# KiCad board plinkyblack.kicad_pcb (continued)
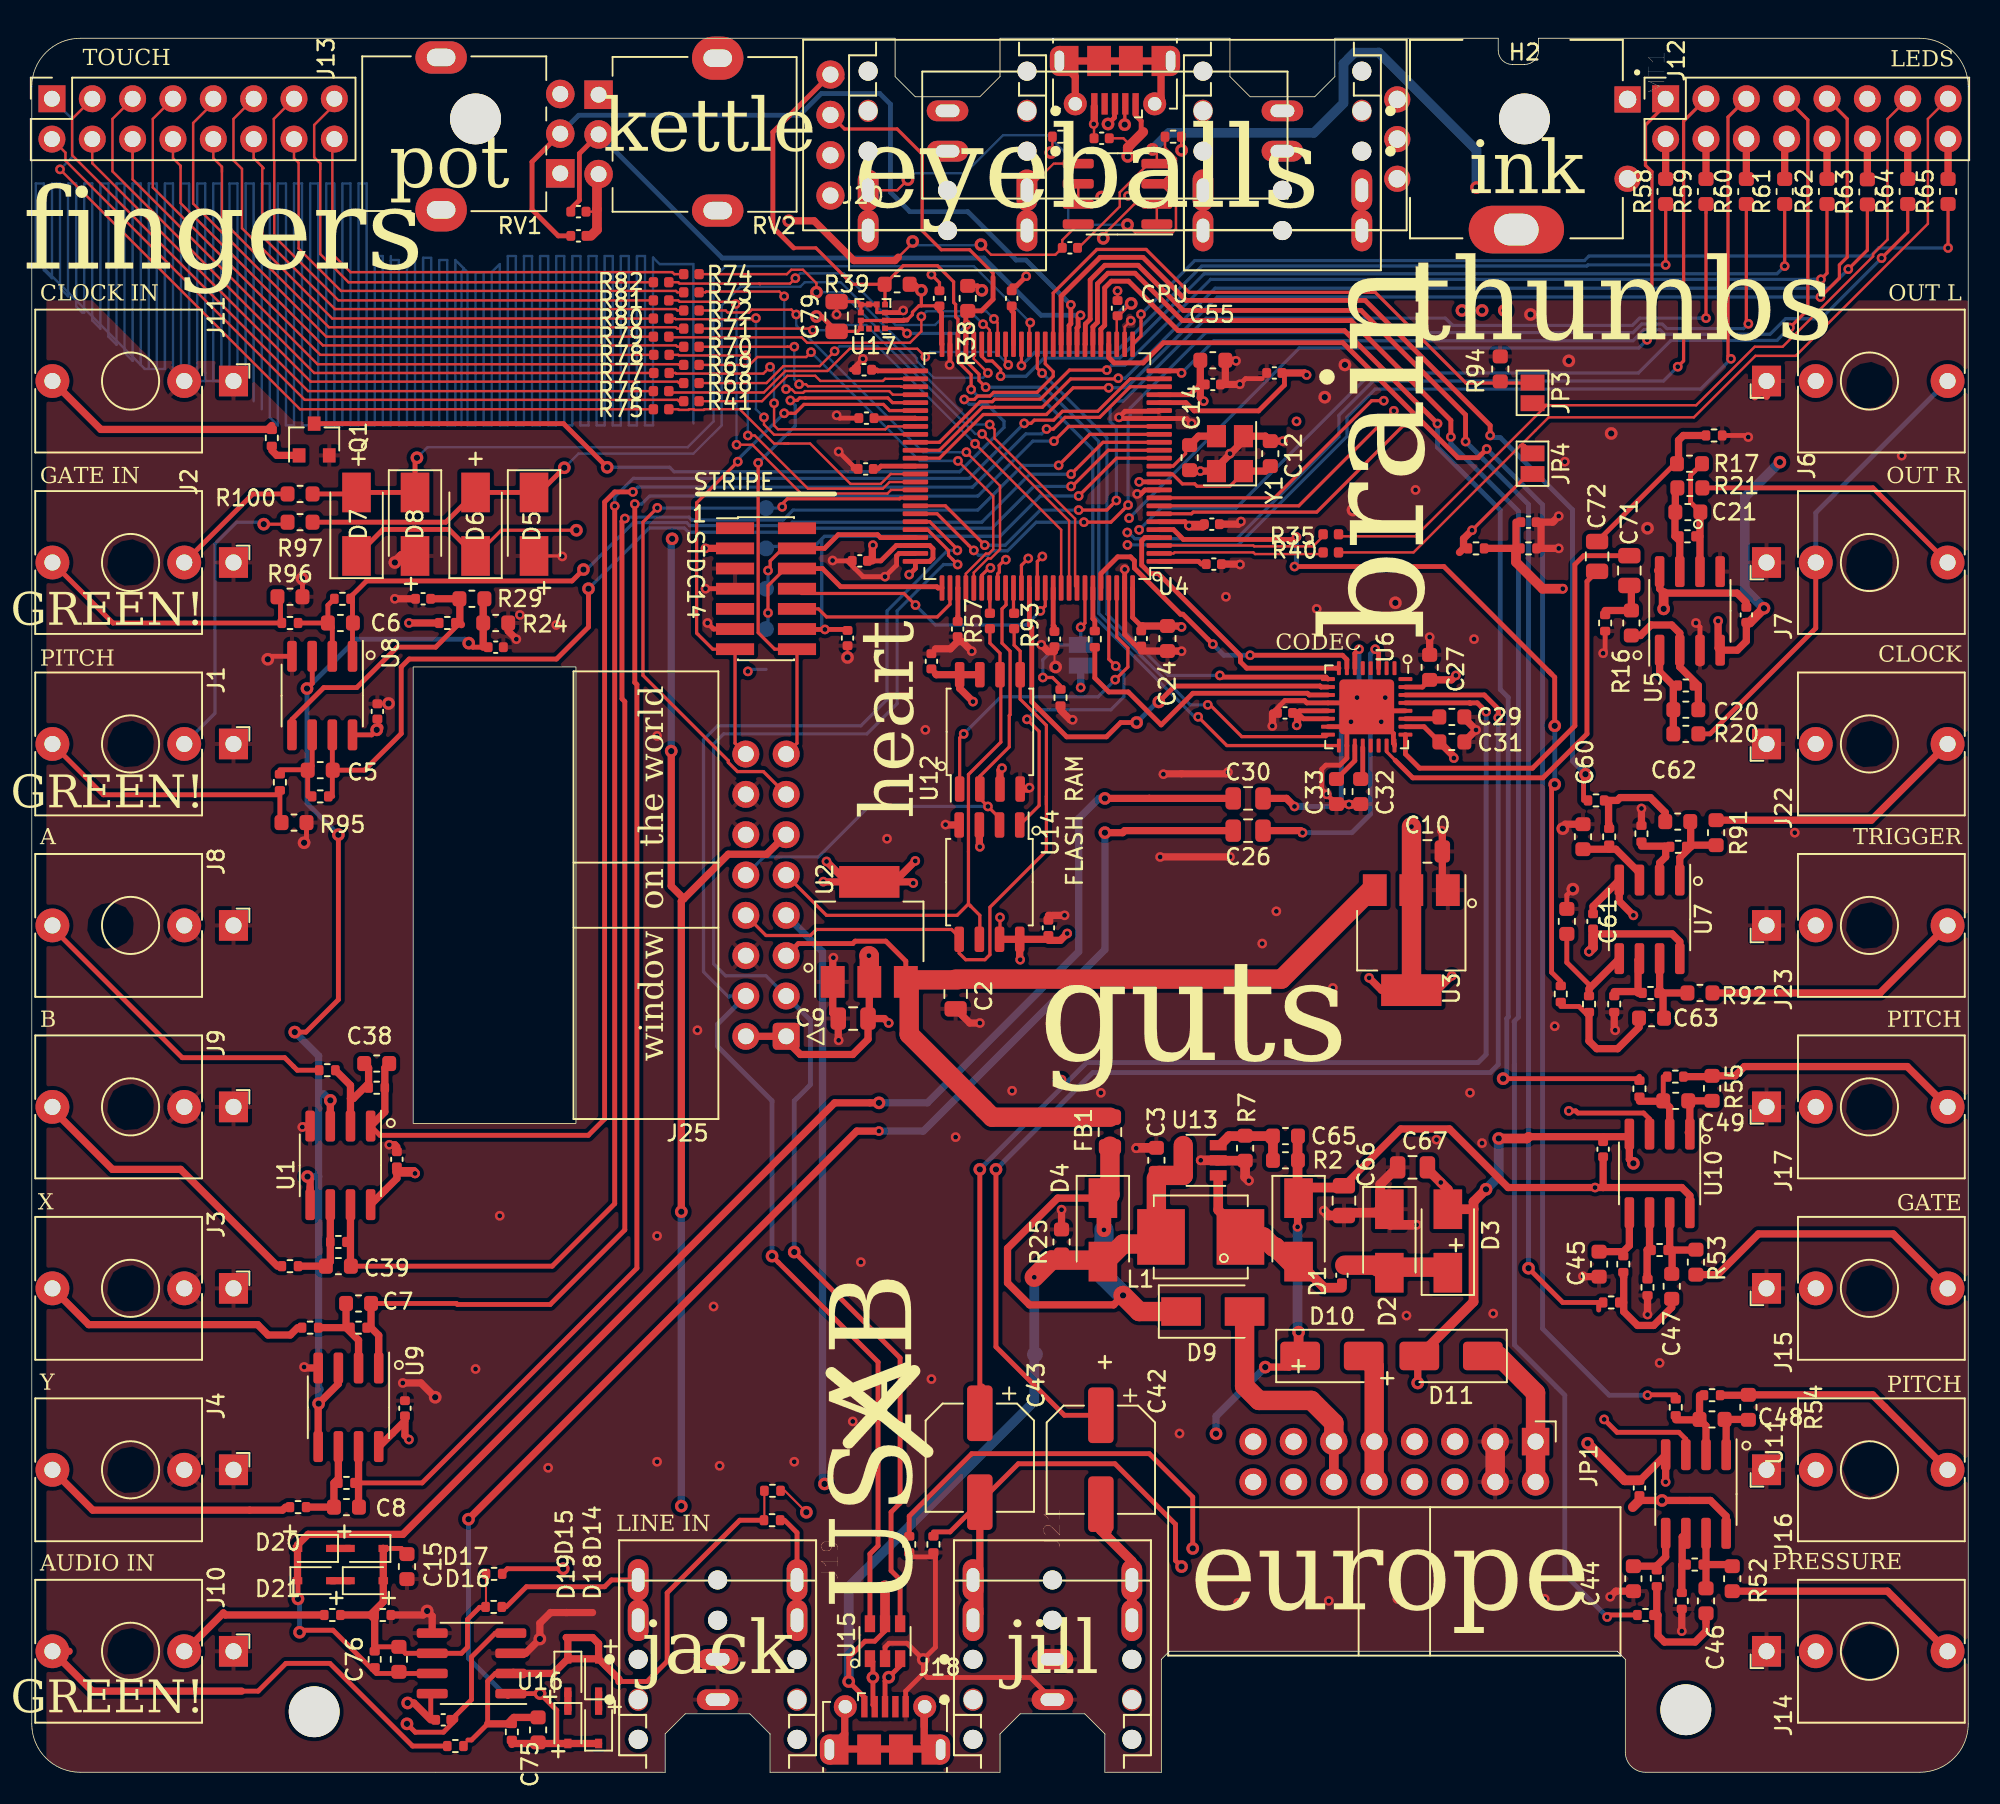
[diagram p0: board, top side]
## Routing (per net, layer and track width the routed paths; a pad name or vN(x,y) marks a point on that pad's centre or on a via; arc(x,y) is an arc through that point) (continued)
AIN4: length 110.2
  Top w0.203: U4.18 65.28,84.77 v1(64.36,83.84)
  Top w0.305: v1(37.97,79.88) 37.97,68.65 38.1,68.51 38.1,31.75 24.57,18.22 20.6,18.22
  Top w0.457: U9.7 20.57,16.73 C8.1
  Bottom w0.203: v1(64.36,83.84) 63.03,83.84 59.57,80.38 38.9,80.38 38.4,79.88 v1(37.97,79.88)
AIN5: length 96.6
  Top w0.203: v1(63.89,84.61) 64.32,84.61 65.06,85.34 67.24,85.34 69.16,87.27 U4.23
  Top w0.305: v1(37.85,80.65) 36.7,80.65 36.07,80.01 36.07,41.15 35.04,40.12 21.92,40.12 U1.1
  Top w0.457: U1.1 22.23,41.59 22.23,44.36 C38.1
  Bottom w0.203: v1(63.89,84.61) 63.59,84.3 62.59,84.3 59.23,80.95 38.15,80.95 v1(37.85,80.65)
AIN6: length 106
  Top w0.203: C39.1 21.59,31.88 ; U4.24 69.16,87.77 67.11,85.72 64.89,85.72 64.33,85.17 63.12,85.17 62.92,84.96 v1(62.48,84.96)
  Top w0.305: v1(36.7,79.76) 36.7,35.81 32.77,31.88 20.19,31.88
  Top w0.457: C39.1 20.07,31.9 U1.7 20.07,35.2
  Bottom w0.203: v1(36.7,79.76) 36.7,80.33 37.87,81.5 59.02,81.5 v1(62.48,84.96)
AOUT1: length 95.5
  Top w0.305: 103.51,23.77 101.75,23.77 v1(101.73,23.75) ; v1(91.6,83.35) 91.06,82.8 89.79,82.8 82.55,90.04 71.25,90.04 69.98,88.77 68.14,88.77 67.81,89.11 U4.29
  Bottom w0.305: v1(101.73,23.75) 99.31,23.75 95.12,27.94 95.12,79.83 v1(91.6,83.35)
AOUT2: length 80.4
  Top w0.305: v1(88.51,84.95) 82.65,90.81 72.18,90.81 69.06,93.92 67.97,93.92 67.55,93.5 67.55,91.14 67.31,90.9 U4.30 ; 101.22,43.84 101.07,43.69 v2(92.64,43.69)
  Bottom w0.305: v2(92.64,43.69) 92.86,43.91 92.86,47.47 92.96,47.57 92.96,67.69 92.46,68.2 92.46,79.5 88.51,83.45 v1(88.51,84.95)
AOUT3: length 112.5
  Top w0.305: 100.81,9.91 99.31,9.91 v1(99.19,9.78) ; U4.31 66.81,91.05 67.1,91.33 67.1,93.76 67.76,94.42 69.46,94.42 72.44,91.44 83.06,91.44 89.35,85.15 v1(89.35,84.11)
  Bottom w0.305: 93.34,44.58 93.34,43.69 ; 93.34,44.58 93.34,47.26 ; 93.34,44.58 93.34,26.92 96.52,23.75 96.52,12.45 v1(99.19,9.78) ; 93.32,47.28 93.6,47.56 93.6,79.43 89.35,83.68 v1(89.35,84.11)
AOUT4: length 93.7
  Top w0.305: v2(94.23,31.75) 96.39,29.59 98.65,29.59 98.65,29.12 ; v1(90.27,83.82) 90.27,85.5 83.69,92.08 72.51,92.08 69.66,94.92 67.56,94.92 66.64,94 66.64,91.52 66.33,91.22 66.33,89.97 U4.32
  Bottom w0.305: v2(94.23,31.75) 94.23,50.93 ; 94.23,50.93 94.23,50.55 ; 94.23,50.93 94.23,79.86 v1(90.27,83.82)
AOUT5: length 61.9
  Top w0.305: U4.35 64.81,92.97 67.26,95.42 69.96,95.42 72.67,92.71 83.95,92.71 91.82,84.84 v1(91.82,84.2) ; v2(97.82,62.87) 97.7,62.74 97.7,61.21
  Bottom w0.305: v2(97.82,62.87) 97,63.68 97,79.53 92.46,84.07 91.95,84.07 v1(91.82,84.2)
AOUT6: length 49.9
  Top w0.305: 96.27,49.81 95.69,50.39 95.69,62.03 v2(95.89,62.23) ; v2(95.89,65.91) 95.89,68.97 95.51,69.35 ; 95.51,69.35 88.91,75.95 v1(79.5,75.95) ; 95.51,69.35 95.69,69.17 ; v1(79.63,77.8) 79.48,77.65 72.5,77.65 71.88,78.27 U4.5
  Bottom w0.305: v1(79.5,75.95) 79.63,76.07 v1(79.63,77.8) ; v2(95.89,62.23) v2(95.89,65.91)
CLKIN: length 57.7
  Top w0.203: v1(58.71,86.47) 59.34,86.47 59.56,86.68 60.32,86.68 60.56,86.92 63.3,86.92 64.31,87.93 64.31,88.22 63.81,88.72 U4.37
  Top w0.305: Q1.3 33.48,84.95 v2(36.23,82.2)
  Bottom w0.203: v1(58.71,86.47) 59.01,86.17 60.14,86.17 61.21,85.09 61.21,84.71 58.42,81.91 40.45,81.91 40.16,82.2 v2(36.23,82.2)
DACDAT: length 28.2
  Top w0.305: U4.87 62.81,72.27 62.96,72.12 62.96,67.42 65.16,65.22 67.66,65.22 68.56,66.12 v2(69.56,66.12) ; U6.10 81.17,68.36 81.11,68.42 71.96,68.42 v2(70.96,67.42)
  Bottom w0.305: v2(70.96,67.42) 70.86,67.42 v2(69.56,66.12)
DEBUG: length 39.9
  Top w0.203: U4.67 55.63,80.27 55.63,80.26 54.69,80.26 54.64,80.21 47.57,80.21 47.24,79.88 47.37,79.76 ; J25.13 46.06,63.03 44.43,63.03 43.85,63.61 43.85,63.72 38.48,69.09 38.48,78.74 v1(39.38,79.64)
  Bottom w0.203: 47.37,79.76 47.24,79.63 TPDEBUG1.1 39.4,79.63 v1(39.38,79.64)
  vias: v1(47.24,79.71)
DM: length 90.3
  Top w0.203: U4.70 56.53,78.77 58.28,77.03 v1(58.28,76.96)
  Top w0.305: U15.6 52.77,13.75 53.28,14.27 53.28,25.84 v2(46.61,32.51)
  Bottom w0.203: J25.4 43.94,48.9 43.88,48.83 42.29,50.42 42.29,65.02 43.18,65.91 52.2,65.91 53.85,67.56 53.85,73.15 57.66,76.96 v1(58.28,76.96)
  Bottom w0.305: J25.4 43.18,47.12 43.18,45.72 46.61,42.29 v2(46.61,32.51)
DM_C: length 200.9
  Top w0.203: 68.82,105.41 68.82,103.79 v2(68.81,103.78) ; 68.84,104.92 68.78,104.86
  Top w0.305: U15.1 52.96,6.97 v2(52.96,5.97) 52.96,4.24 J18.2
  In2.Cu w0.203: v2(68.81,103.78) 69.08,103.51 80.52,103.51 82.93,105.92 84.45,105.92 85.22,106.68 87.69,106.68 94.16,100.21 96.33,100.21 97.95,98.59 97.95,96.53 105.19,89.29 105.2,89.29 118.47,76.02 118.47,16.1 114.3,11.94 74.55,11.94 70.61,8 70.61,6.48 69.77,5.63 54.57,5.63 54.27,5.33 53.59,5.33 v2(52.96,5.97)
DP: length 90.3
  Top w0.203: v1(58.29,76.07) 57.72,76.65 57.72,76.95 56.4,78.27 U4.71
  Top w0.305: U15.4 54.67,12.13 54.1,12.7 54.1,16.38 54.67,16.95 54.67,26.1 v2(48.01,32.77)
  Bottom w0.203: J25.3 46.23,50.17 43.69,50.17 42.93,50.93 42.93,64.77 43.56,65.41 52.58,65.41 54.48,67.31 54.48,73.15 57.4,76.07 v1(58.29,76.07)
  Bottom w0.305: v2(48.01,32.77) 48.01,42.29 49.02,43.31 49.02,47.37 J25.3
DP_C: length 198.1
  Top w0.305: v2(67.76,103.82) 67.76,103.82 68.17,104.23 68.17,105.41 ; U15.3 54.67,6.7 v2(53.96,5.99) 53.72,5.75 J18.3
  In2.Cu w0.203: 75.06,12.45 114.05,12.45 118.11,16.51 118.11,75.89 105.06,88.95 105.05,88.95 97.61,96.39 97.61,98.45 96.19,99.87 94.01,99.87 89.74,104.14 85.09,104.14 84.07,103.12 68.46,103.12 v2(67.76,103.82) ; 75.06,12.45 74.93,12.45 ; 75.06,12.45 74.42,12.45 70.23,8.26 70.23,6.64 69.58,5.99 v2(53.96,5.99)
FSCLK: length 20.3
  Top w0.305: U4.96 67.31,75.5 68.37,76.56 69.18,76.56 69.42,76.31 69.42,75.85 72.33,72.94 72.47,72.94 v1(74.36,71.06) ; U6.7 82.8,70.08 82.52,70.36 v1(76.71,70.36)
  Bottom w0.305: v1(74.36,71.06) 75.06,70.36 v1(76.71,70.36)
HPL: length 83.2
  Top w0.305: v1(92.33,66.42) 92.33,66.98 91.45,67.86 U6.30 ; C42.1 65.02,22.48 60.71,26.8 v2(60.71,37.97)
  Top w0.457: 67.31,22.61 67.44,22.48 ; 67.31,22.48 67.62,22.79
  Bottom w0.305: v2(60.71,37.97) 66.8,44.07 91.82,44.07 92.33,44.58 v1(92.33,66.42)
HPR: length 79.2
  Top w0.305: v2(59.69,37.97) C43.1 ; 90.53,67.36 90.57,67.31 ; 90.53,67.36 91.01,67.36 v1(91.57,66.8) ; 90.53,67.36 U6.29
  Top w0.457: 59.82,22.23 59.82,24.26
  Bottom w0.305: v1(91.57,66.8) 91.57,45.21 91.06,44.7 66.42,44.7 v2(59.69,37.97)
  vias: v1(64.84,43.62)
IO1: length 41.8
  Top w0.203: U4.7 73.02,79.27 73.13,79.37 80.9,79.37 v1(86.52,84.99)
  In1.Cu w0.203: v2(92.71,92.08) 93.34,92.08 100.61,99.34 100.61,100.41
  In2.Cu w0.152: v2(92.71,92.08) 90.81,90.17 87,90.17 86.52,89.69 86.52,86.26
  In2.Cu w0.203: v1(86.52,84.99) 86.52,86.26
IO2: length 43.2
  Top w0.203: v1(85.76,85.76) 79.77,79.77 U4.8
  In1.Cu w0.203: 86.11,105.41 89.41,102.11 89.41,93.98 v2(91.31,92.08)
  In2.Cu w0.203: v1(85.76,85.76) 85.76,89.69 87.12,91.06 90.3,91.06 v2(91.31,92.08)
IO3: length 36.8
  Top w0.203: U4.9 78.24,80.27 84.36,86.39 v1(85.12,86.39)
  In1.Cu w0.203: 86.11,100.41 88.65,97.87 88.65,93.47 v2(90.04,92.08)
  In2.Cu w0.152: 89.95,91.98 v2(90.04,92.08)
  In2.Cu w0.203: v2(90.04,92.08) 86.11,92.08 85.4,91.37 85.4,87.43 85.12,87.15 v1(85.12,86.39)
JTCK: length 14.7
  Top w0.203: v1(46.35,73.03) 46.35,74.74 47.43,75.82 J5.6
  Top w0.305: J5.6 49.78,75.82 50.93,74.68 56.98,74.68 57.06,74.6 U4.76
  Bottom w0.203: v1(46.35,73.03) 46.35,72.14 T_JTCK1.1
JTDI: length 11.2
  Top w0.203: J5.10 49.53,73.28 50.04,72.77 57.01,72.77 57.81,73.57 U4.77
JTDO: length 19.3
  Top w0.203: J5.8 47.24,74.55 ; J5.8 48.48,74.25 54.91,74.25 55.63,73.53 ; J5.8 48.05,74.42 ; U4.89 63.81,73.46 v1(63.5,73.15)
  Bottom w0.203: v1(63.5,73.15) 62.61,72.26 56.9,72.26 v1(55.64,73.52)
JTMS: length 11.8
  Top w0.203: v1(46.35,75.69) 46.49,75.83 46.49,76.3 47.28,77.09 J5.4
  Top w0.305: J5.4 49.91,77.09 50.77,77.95 53.25,77.95 53.43,77.77 U4.72
  Bottom w0.203: T_JTMS1.1 46.35,74.68 v1(46.35,75.69)
LINEINL: length 19.3
  Top w0.305: U6.3 84.8,70.52 v1(84.58,70.74) ; 79.88,59.06 v1(80.01,59.18)
  Top w0.457: C26.1 79.88,59.31 v1(80.01,59.18)
  Bottom w0.305: v1(84.58,70.74) 84.28,70.43 84.28,60.34 83.12,59.18 v1(80.01,59.18)
LINEINR: length 16.7
  Top w0.305: v1(83.57,70.74) 83.3,70.47 U6.6
  Top w0.457: C30.1 78.99,61.34 v1(79.5,60.83)
  Bottom w0.305: v1(83.57,70.74) 83.57,68.72 82.45,67.6 82.45,61.38 82.32,61.25 82.32,60.99 82.17,60.83 80.14,60.83
  Bottom w0.457: v1(79.5,60.83) 80.14,60.83
LINEOUTL: length 27.5
  Top w0.305: U6.25 86.49,64.14 87.38,63.25 94.49,63.25 97.16,65.91 97.16,76.07 97.71,76.63 C71.2 ; 100.2,76.84 100.46,76.58
LINEOUTR: length 25.2
  Top w0.203: 85.3,64.41 85.3,64.28 85.96,63.63
  Top w0.305: 85.84,63.74 86.95,62.64 95.15,62.64 97.92,65.41 97.92,75.01 C72.2
MCLK: length 18.4
  Top w0.305: 66.93,70.59 66.93,68.93 67.81,68.05 69.03,68.05 71.11,65.97 73.1,67.96 80.32,67.96 80.42,67.86 U6.11
MISO: length 33.7
  Top w0.203: 60.96,59.56 60.96,60.07 59.69,61.34 U12.2 59.69,62.73 61.54,64.59 61.54,66.56 61.59,66.61 61.59,70.61 61.09,71.12 61.09,73.28 61.34,73.53 61.34,74.56 U4.84
  Bottom w0.203: J25.10 46.1,57.66 49.53,57.66 52.7,60.83 v1(60.2,60.83)
MOSI: length 41.4
  Top w0.203: 44.62,53.87 44.7,53.78 ; 58.42,52.58 57.91,53.09 49.4,53.09 49.02,52.7 46.23,52.7 J25.8 ; U14.5 58.39,51.59 58.8,51.18 60.01,51.18 60.32,51.5 60.32,54.48 63.88,58.04 63.88,61.47 ; 63.88,61.47 63.88,65.94 62.23,67.59 U12.5 62.23,70.61 61.85,70.99 R93.1 ; 63.88,61.47 63.88,60.96
  Bottom w0.203: 44.7,53.78 44.7,54.22
N1: length 64.2
  Top w0.203: 60.92,76.01 60.92,75.59 60.81,75.48 U4.83 ; 60.9,76.01 61.26,76.38 v1(61.33,76.38) ; J12.1 102.87,105.03 101.6,103.76 101.6,101.22 102.01,100.81 102.01,90.54 v1(101.7,90.23)
  In2.Cu w0.203: v1(61.33,76.38) 63.06,78.11 68.2,78.11 v1(69.09,78.99)
  Bottom w0.203: v1(101.7,90.23) 101.18,89.71 79.81,89.71 v1(69.09,78.99)
N2: length 66.9
  Top w0.203: J12.3 104,104 104,88.9 v1(103.63,88.53) ; v1(62.74,76.45) 62.31,76.03 U4.86
  In2.Cu w0.203: v1(62.74,76.45) 62.74,76.89 63.45,77.6 68.48,77.6 v1(68.98,78.09)
  Bottom w0.203: v1(103.63,88.53) 102.73,87.63 84.45,87.63 82.3,85.47 82.3,84.13 75.86,77.7 69.45,77.7 69.06,78.09 v1(68.98,78.09)
N3: length 68.3
  Top w0.203: v1(63.63,76.58) 63.31,76.26 U4.88 ; v1(106.98,89.03) 106.8,89.21 106.8,104.26 J12.5
  In2.Cu w0.203: v1(63.63,76.58) 64.05,77 68.68,77 v1(68.98,77.31)
  Bottom w0.203: v1(68.98,77.31) 75.97,77.31 82.8,84.14 82.8,85.34 84.58,87.12 105.07,87.12 v1(106.98,89.03)
N4: length 74.2
  Top w0.203: J12.7 111.82,104.08 111.82,92.13 v1(110.69,91) ; U4.81 59.81,75.4 60.27,75.86 v1(60.36,75.86)
  In2.Cu w0.203: v1(69.72,78.26) 69.72,77.22 68.83,76.33 64.39,76.33 63.88,75.82 60.45,75.82 60.38,75.9
  Bottom w0.203: v1(110.69,91) 109.88,90.19 103.2,90.19 101.16,88.14 84.33,88.14 75.82,79.63 71.09,79.63 v1(69.72,78.26)
N5: length 74.9
  Top w0.203: v1(67.8,87.2) 65.56,87.2 63.88,85.52 59.9,85.52 57.15,82.77 U4.62 ; J12.9 114.3,104.14 114.3,95.43 113.81,94.94 113.81,94.12 v1(112.61,92.92)
  Bottom w0.203: v1(67.8,87.2) 68.92,87.2 74.63,92.92 v1(112.61,92.92)
NRST: length 36.1
  Top w0.203: v1(65.91,80.39) 68.29,82.77 U4.14
  Top w0.305: 51.43,71.98 v1(49.94,71.98) 48.2,71.98 J5.12
  Bottom w0.203: 46.23,77.22 49.28,77.22 49.73,77.67 ; 49.73,77.67 49.91,77.85 60.96,77.85 63.5,80.39 v1(65.91,80.39) ; 49.73,77.67 49.73,72.19 v1(49.94,71.98)
P1: length 48.4
  Top w0.203: U4.40 v1(62.31,88.6) ; R58.1 v1(102.87,94.95)
  Bottom w0.203: v1(102.87,94.95) 97.97,94.95 97.9,94.88 73.67,94.88 68.22,89.43 63.14,89.43 v1(62.31,88.6)
P2: length 68.4
  Top w0.203: R59.1 v1(105.41,91.59) ; v1(60,77.29) 57.52,79.77 U4.68 ; v1(65.91,79.5) 67.68,79.5 v1(68.29,80.11)
  Bottom w0.203: 104.98,91.59 105.05,91.59 ; 105.05,91.59 v1(105.41,91.59) ; 105.05,91.59 101.23,91.59 100.77,91.13 89.46,91.13 89,91.59 73.94,91.59 68.72,86.37 68.26,86.37 67.89,86 67.89,85.08 68.29,84.68 v1(68.29,80.11) ; v1(65.91,79.5) 63.5,79.5 61.29,77.29 v1(60,77.29)
P3: length 70.9
  Top w0.203: v1(66.24,78.74) 67.95,78.74 v1(69.02,79.82) ; v1(108.08,91.24) 107.95,91.36 R60.1 ; U4.69 57,79.27 v1(59.31,76.96)
  Bottom w0.203: v1(69.02,79.82) 69.02,85.27 69.16,85.4 69.16,85.92 73.91,90.68 100.82,90.68 101.36,91.22 102.66,91.22 102.95,90.93 107.77,90.93 v1(108.08,91.24) ; v1(59.31,76.96) 59.61,76.66 60.19,76.66 60.47,76.94 61.44,76.94 63.24,78.74 v1(66.24,78.74)
P4: length 58.9
  Top w0.203: U4.45 59.81,89.18 60.1,88.89 60.47,88.89 61,88.37 v1(61,87.93) ; R61.1 v1(110.36,94.87)
  Bottom w0.203: v1(61,87.93) 62.6,87.93 63.74,89.08 68.5,89.08 73.81,94.39 109.88,94.39 v1(110.36,94.87)
P5: length 66.2
  Top w0.203: R62.1 113.03,94.42 v1(112.65,94.04) ; v1(67.69,88.32) 65.34,88.32 63.5,86.49 60.63,86.49 60.47,86.33 59.7,86.33 57.15,83.77 U4.60
  Bottom w0.203: v1(112.65,94.04) 112.21,94.04 112.21,94.03 74.22,94.03 68.81,88.63 67.99,88.63 v1(67.69,88.32)
P6: length 68
  Top w0.203: v1(114.37,94.67) 115.57,95.88 R63.1 ; v1(68.4,87.81) 68.36,87.76 65.41,87.76 63.63,85.98 60.63,85.98 60.62,85.97 59.85,85.97 57.15,83.27 U4.61
  Bottom w0.203: v1(114.37,94.67) 113.17,93.48 74.51,93.48 68.84,87.81 v1(68.4,87.81)
P7: length 52.9
  Top w0.203: R64.1 118.11,97.02 v1(116.46,95.37)
  Top w0.305: v1(72.39,88.14) 72.26,88.27 U4.25
  Bottom w0.203: v1(116.46,95.37) 112.65,91.56 110.42,91.56 109.44,90.57 102.8,90.57 102.51,90.87 101.51,90.87 100.81,90.17 74.42,90.17 v1(72.39,88.14)
P8: length 57.4
  Top w0.203: R65.1 v1(120.65,96.01) ; U4.26 69.84,90.47 v1(69.84,91.84)
  Bottom w0.203: v1(69.84,91.84) 73.22,95.22 97.76,95.22 98.04,95.5 115.77,95.5 116.27,96.01 v1(120.65,96.01)
POT1: length 42.3
  Top w0.305: U4.33 65.81,90.98 65.88,91.05 65.88,91.62 v1(66.03,91.77) ; RV2.2 34.48,101.96 34.48,99.02 34.01,98.55
  Bottom w0.305: RV2.2 43.47,95.38 59.94,95.38 63.55,91.77 v1(66.03,91.77)
POT2: length 52.8
  Top w0.305: 33.63,96.77 33.15,96.77 31.5,98.43 31.5,101.43 RV1.2 ; U4.34 65.31,91.13 65.42,91.23 v1(65.42,92.43)
  Bottom w0.305: v1(65.42,92.43) 62.6,95.25 61.98,95.25 58.93,98.3 55.28,98.3 54.06,99.52 54.06,105.07 53.39,105.74 49.71,105.74 48.34,104.37 34.43,104.37 RV1.2
RX: length 34.5
  Top w0.203: U4.56 54.01,85.77 53.62,86.16 48.62,86.16 48.06,85.6 v1(47.37,85.6) ; v1(44.45,82.55) 41.86,79.96 41.86,71.75 42.87,70.74 J5.13 44.28,64.81 J25.16
  Bottom w0.203: v1(44.45,82.55) 44.45,82.68 v1(47.37,85.6)
SCL: length 68.7
  Top w0.203: v1(60.06,87.24) 59.64,87.66 59.64,88.06 58.81,88.89 U4.47 ; v1(55.11,90.63) 54.79,90.94 U17.1 ; 60.52,94.16 60.52,94.42 59.04,95.9 57.26,95.9 56.06,97.1 56.06,101.93 54.48,103.51 51.17,103.51 J20.2 ; v1(74.04,67.23) 74.18,67.23 76.18,65.23 81.49,65.23 U6.16
  Top w0.305: 60.52,94.16 60.52,92.78 59.79,92.05 R38.2 58.81,91.93 U4.47 58.8,89.95
  Bottom w0.203: v1(74.04,67.23) 72.93,67.23 67.18,72.99 67.18,83.83 63.76,87.24 v1(60.06,87.24) ; v1(58.87,91.18) 58.32,90.63 v1(55.11,90.63)
SCLK: length 18.1
  Top w0.305: U6.8 76.49,69.54 76.1,69.94 76.1,70.33 70.93,75.5 70.42,75.5 69.88,76.04 69.88,77.57 70.08,77.77 U4.4
SDA: length 72.3
  Top w0.203: R39.2 54.86,94.89 57.02,94.89 58.04,93.88 58.04,92.58 58.17,92.46 58.17,91.67 58.31,91.52 U4.48 58.31,88.86 59.14,88.02 v1(59.14,87.1) ; R39.2 53.72,93.7 U17.4 ; R39.2 51.65,93.73 49.37,96.01 47.97,96.01 ; U6.17 75.24,64.67 v1(73.44,66.48)
  Top w0.305: 47.97,96.01 46.66,97.32 46.66,103.31 J20.1 ; 51.02,106.71 50.79,106.93
  Bottom w0.203: v1(73.44,66.48) 73.2,66.48 66.8,72.88 66.8,83.32 63.4,86.72 60.36,86.72 60.32,86.68 59.55,86.68 v1(59.14,87.1)
SENSE: length 60.5
  Top w0.152: v1(62.87,91.31) 62.81,91.26 U4.39
  Top w0.305: v2(24.25,82.8) 24.13,82.68 D8.1 D7.2 20.35,80.52 R100.1
  Bottom w0.152: v1(62.87,91.31) 59.31,94.87 43.69,94.87 42.93,94.11 42.93,85.09 41.29,83.46 24.91,83.46 v2(24.25,82.8)
SENSE2: length 57.9
  Top w0.152: U4.46 59.31,89.03 v1(60.2,88.14)
  Top w0.305: 17.91,78.74 26.07,78.74 D5.2 D6.1 31.97,80.61 v2(33.53,82.17)
  Bottom w0.152: v2(33.53,82.17) 34.42,83.06 41.66,83.06 43.43,84.84 43.43,92.38 44.63,93.57 48.39,93.57 48.67,93.85 50.93,93.85 55.73,89.05 55.73,88.9 56.79,87.83 59.89,87.83 v1(60.2,88.14)
SPICLK: length 34.2
  Top w0.203: 59.69,52.45 59.69,53.98 59.12,54.55 ; 58.97,54.69 58.26,53.98 50.04,53.98 J25.9 ; 58.97,54.69 59.12,54.55 ; 58.97,54.69 58.97,62.85 61.01,64.88 61.01,69.08 U12.6 60.81,69.28 ; 59.12,54.55 59.05,54.61 ; R57.1 60.32,71.12 60.96,70.48 60.96,69.09
SPICS: length 20.9
  Top w0.203: v1(68.21,68.82) 69.01,69.62 69.01,70.81 68.31,71.51 U4.98 ; v1(58.67,65.41) 58.42,65.15 U12.1
  Bottom w0.203: v1(68.21,68.82) 67.14,67.74 61.01,67.74 v1(58.67,65.41)
SPICS2: length 21.4
  Top w0.203: U14.1 63.42,60.89 63.42,65.56 v1(62.66,66.32) ; U4.97 67.81,70.11 v1(68.24,69.68)
  Bottom w0.203: v1(68.24,69.68) 68.76,69.16 68.76,67.74 67.94,66.92 63.26,66.92 v1(62.66,66.32)
T1: length 14.5
  Top w0.152: R41.1 45.97,86.36 47.57,87.96 49.33,87.96 49.65,87.64 53.59,87.64 53.72,87.77 U4.52
T2: length 32.2
  Top w0.152: R68.1 46.26,87.5 47.32,88.57 49.61,88.57 v1(50.55,89.51) ; v1(59.39,83.68) 64.81,78.26 U4.91
  Bottom w0.152: v1(59.39,83.68) 53.26,89.81 50.85,89.81 v1(50.55,89.51)
T3: length 29.2
  Top w0.152: R69.1 45.18,88.65 45.68,89.14 48.76,89.14 v1(49.06,89.45) ; U4.79 58.81,75.5 60.07,76.76 60.26,76.76 60.53,77.04 60.53,80.38 v1(58.31,82.6)
  Bottom w0.152: v1(58.31,82.6) 55.91,82.6 v1(49.06,89.45)
T4: length 15.9
  Top w0.152: v1(48.01,89.79) 47.58,89.79 47.57,89.79 R70.1 ; v1(48.31,87.43) 48.75,87.43 48.87,87.3 54.71,87.3 54.73,87.27 U4.53
  Bottom w0.152: v1(48.01,89.79) 48.01,87.73 v1(48.31,87.43)
T5: length 32.8
  Top w0.152: v1(49.18,90.84) 49.12,90.84 49.02,90.93 R71.1 ; U4.92 65.31,78.82 v1(59.83,84.3)
  Bottom w0.152: v1(49.18,90.84) 49.97,90.84 50.29,91.16 52.54,91.16 59.4,84.3 v1(59.83,84.3)
T6: length 31.3
  Top w0.152: v1(48.13,91.82) 47.83,92.13 45.34,92.13 45.16,91.95 43.81,91.95 43.69,92.08 R72.1 ; v1(58.84,83.15) 60.96,81.03 60.96,77.03 60.38,76.45 60.2,76.45 59.31,75.57 U4.80
  Bottom w0.152: v1(58.84,83.15) 56.11,83.15 48.13,91.13 v1(48.13,91.82)
T7: length 20
  Top w0.152: U4.54 54.21,86.77 53.99,86.99 48.67,86.99 48.57,86.89 48.06,86.89 47.83,87.12 v1(47.49,87.12) ; R73.1 42.41,93.22 42.46,93.27 47.07,93.27 v1(47.37,92.96) 47.24,93.09
  Bottom w0.152: v1(47.37,92.96) 47.37,87.24 v1(47.49,87.12)
T8: length 35.4
  Top w0.152: U4.93 65.69,74.72 65.69,78.95 60.62,84.02 60.62,84.59 v1(60.31,84.89) ; R74.1 47.54,94.36 47.82,94.64 48.55,94.64 49.4,93.79 v2(49.4,93.22)
  Bottom w0.152: v2(49.4,93.22) 50.97,93.22 59.3,84.89 v1(60.31,84.89)
T9: length 18
  Top w0.152: 47.62,83.69 49.01,83.69 51.55,81.15 53.46,81.15 54.07,81.77 U4.64 ; 47.62,83.69 46.74,83.69 44.58,85.85 42.36,85.85 42.32,85.81 41.71,85.81 41.67,85.85 41.39,85.85 41.35,85.81 40.74,85.81 40.7,85.85 R75.2 ; 47.62,83.69 47.37,83.69
T10: length 24.6
  Top w0.152: R76.2 40.2,86.91 46.09,86.91 47.45,88.26 50.09,88.26 51.49,89.66 55.75,89.66 v1(56.26,89.15) ; U4.42 61.31,88.82 v1(61.48,88.65)
  Bottom w0.152: v1(61.48,88.65) 60.67,89.46 56.57,89.46 v1(56.26,89.15)
T11: length 19.4
  Top w0.152: R77.2 40.53,88.14 40.57,88.1 46.06,88.1 v1(46.48,88.52) ; v1(46.74,86.23) 46.74,84.84 46.98,84.59 53.74,84.59 53.93,84.77 U4.58
  Bottom w0.152: v1(46.74,86.23) 46.74,88.27 v1(46.48,88.52)
T12: length 22.2
  Top w0.152: v1(45.09,84.2) 45.52,84.2 48.87,80.85 53.58,80.85 54.01,81.27 U4.65 ; 44.96,89.41 v1(44.96,89.26) 44.94,89.24 40.74,89.24 40.7,89.28 R78.2